# Altium PCB vision-pi-main.PcbDoc (part 1 of 4) (continued)
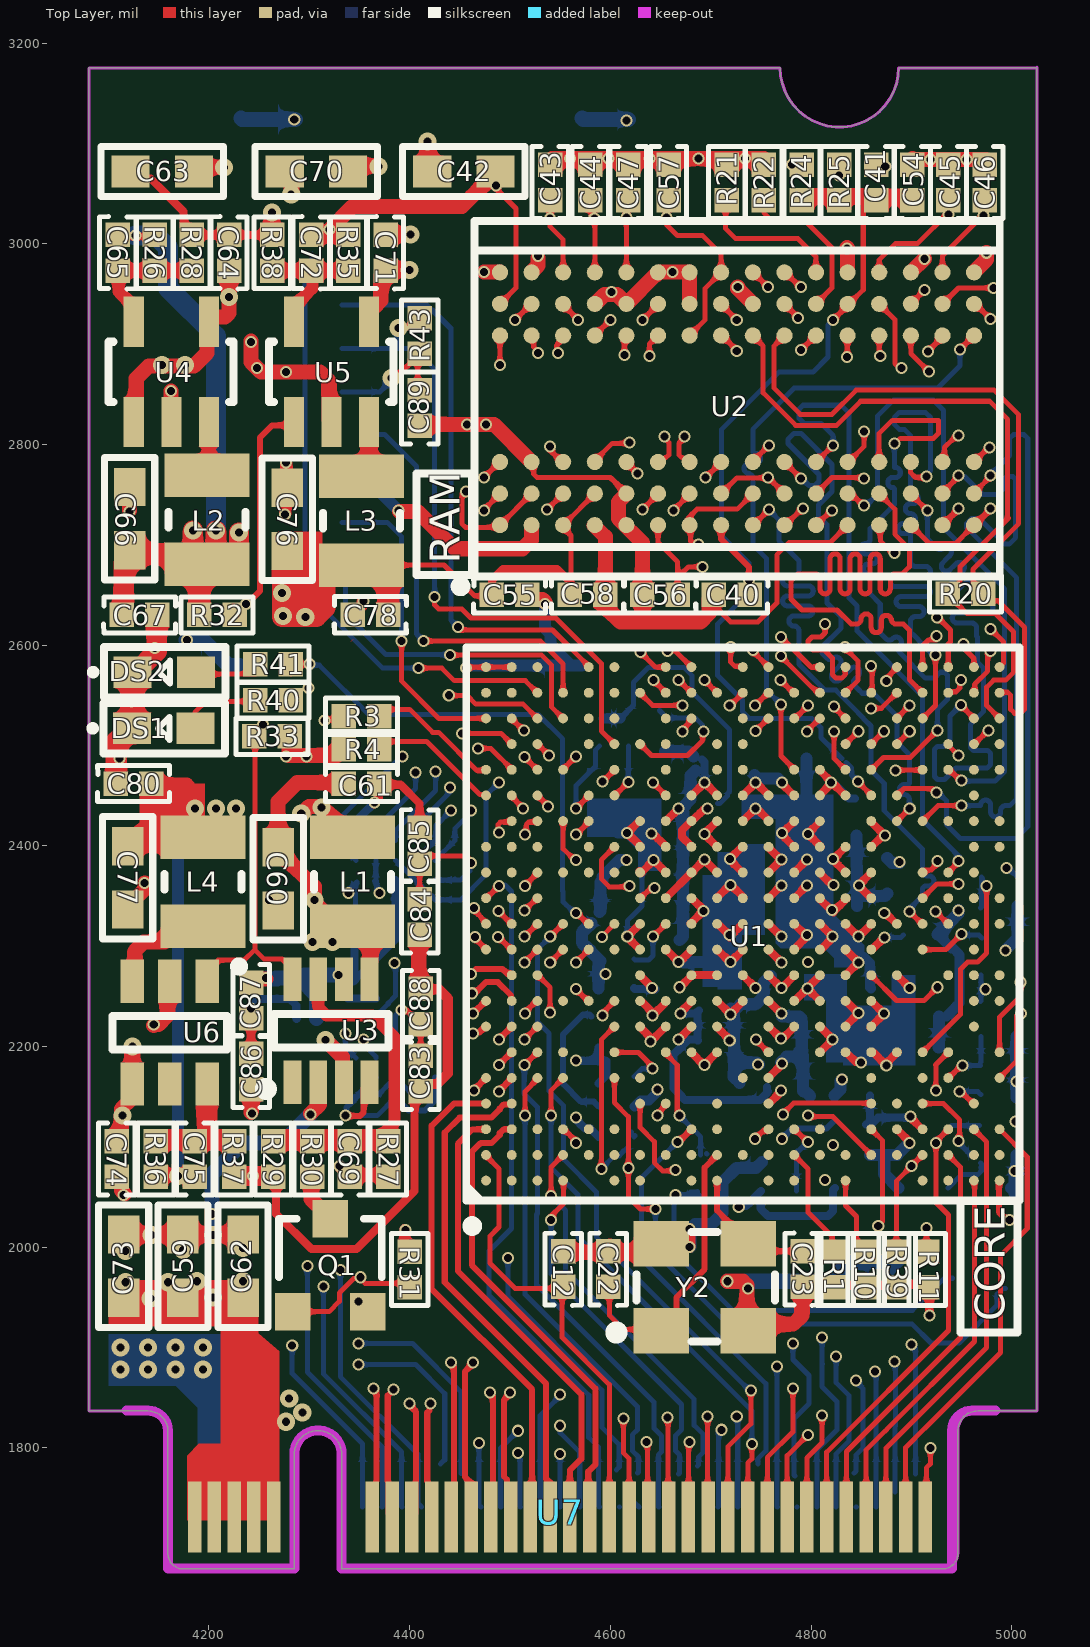
[diagram p0: Top Layer view]
## Classes and differential pairs
differential pair class SDQ1: SDQS1
differential pair class SDQ0: SDQS0
differential pair class EPHY: EPHY-RX EPHY-TX
differential pair class USB: USB0 USB1 USB2 USB3
net class USB: USB_DM0 USB_DM1 USB_DM2 USB_DM3 USB_DP0 USB_DP1 USB_DP2 USB_DP3
net class CAM: CAM_D0 CAM_D1 CAM_D2 CAM_D3 CAM_D4 CAM_D5 CAM_D6 CAM_D7 CAM_HSYNC CAM_MCLK CAM_PCLK CAM_VSYNC I2C2_SCL I2C2_SDA
net class DDR_ADDR/C/C: SA0 SA1 SA2 SA3 SA4 SA5 SA6 SA7 SA8 SA9 SA10 SA11 SA12 SA13 SA14 SA15 SBA0 SBA1 SBA2 SCAS SCKE0 SCKE1 SCKN SCKP SCS0 SCS1 SODT0 SODT1 SRAS SRST SWE
net class DDR_Byte1: SDQ8 SDQ9 SDQ10 SDQ11 SDQ12 SDQ13 SDQ14 SDQ15 SDQM1 SDQS1N SDQS1P
net class DDR_Byte0: SDQ0 SDQ1 SDQ2 SDQ3 SDQ4 SDQ5 SDQ6 SDQ7 SDQM0 SDQS0N SDQS0P
net class Power: AGND GND VCC-DRAM VDD1V1-EPHY VDD1V2-SYS VDD-CPUFB VDD-CPUS VDD-CPUX VDD_5V VDD_AV_3.3V VDD_SYS_3.3V VDDI-EMMC
component class H3_SDCard: C89 R43 R44 U9
component class H3_eMMC: C83 C84 C85 C86 C87 C88 R42 U8
component class H3_USB: R6 U7
component class H3_Power: C59 C60 C61 C62 C63 C64 C65 C66 C67 C69 C70 C71 C72 C73 C74 C75 C76 C77 C78 C79 C80 DS1 DS2 L1 L2 L3 L4 Q1 R26 R27 R28 R29 R30 R31 R32 R33 R34 R35 R36 R37 R38 R39 R40 R41 U3 U4 U5 U6
component class H3_DDR3: C39 C40 C41 C42 C43 C44 C45 C46 C47 C48 C49 C50 C51 C52 C53 C54 C55 C56 C57 C58 R20 R21 R22 R23 R24 R25 U1 U2
component class H3_CPU_02: C15 C16 C17 C18 C19 C21 C22 C23 C24 C25 C26 C27 C28 C29 C30 C31 C32 C33 C34 C35 C36 C37 C38 R11 R12 R13 R14 R15 R16 R17 Y2
component class H3_CPU_01: C1 C2 C3 C4 C5 C6 C7 C8 C9 C10 C11 C12 C13 C14 C20 R1 R2 R3 R4 R5 R7 R8 R9 R10
differential pair EPHY-RX: +EPHY-RXP -EPHY-RXN
differential pair EPHY-TX: +EPHY-TXP -EPHY-TXN
differential pair USB0: +USB_DP0 -USB_DM0
differential pair USB1: +USB_DP1 -USB_DM1
differential pair USB2: +USB_DP2 -USB_DM2
differential pair USB3: +USB_DP3 -USB_DM3
differential pair SCK: +SCKP -SCKN
differential pair SDQS0: +SDQS0P -SDQS0N
differential pair SDQS1: +SDQS1P -SDQS1N

## Components (designator, comment, footprint, x,y, rotation, side; value= is the part's Value field where it differs from the comment)
C1 "100nF" C0402 4657,2412 r180 bottom
C2 "100nF" C0402 4606,2199 r0 bottom
C3 "100nF" C0402 4705,2170 r180 bottom
C4 "100nF" C0402 4987,2152 r180 bottom
C5 "4.7uF" C0402 4987,2181 r180 bottom
C6 "10uF" C0603 4968,2056 r180 bottom
C7 "100nF" C0402 4987,2092 r180 bottom
C8 "100nF" C0402 4656,2440 r180 bottom
C9 "100nF" C0402 4606,2110 r0 bottom
C10 "100nF" C0402 4606,2258 r0 bottom
C11 "100nF" C0402 4607,2229 r180 bottom
C12 "100nF" C0402 4553,1978 r270 top
C13 "10uF" C0603 4853.5,2054 r180 bottom
C14 "100nF" C0402 4841,2155 r0 bottom
C15 "100nF" C0402 4724.72,2440 r180 bottom
C16 "100nF" C0402 4988,2340 r180 bottom
C17 "4.7F" C0402 4606,2287 r0 bottom
C18 "100nF" C0402 4769,2085 r0 bottom
C19 "4.7uF" C0402 4775,2155 r180 bottom
C20 "1uF" C0402 4987,2121 r0 bottom
C21 "1uF" C0402 4690.72,2310 r0 bottom
C22 "18pF" C0402 4598,1978 r270 top
C23 "18pF" C0402 4792,1978 r90 top
C24 "1uF" C0402 4705,2206 r180 bottom
C25 "100nF" C0402 4706,2236 r180 bottom
C26 "10uF" C0603 4592,2397 r90 bottom
C27 "1uF" C0402 4657,2384 r180 bottom
C28 "100nF" C0402 4606,2332 r0 bottom
C29 "1uF" C0402 4910,2197 r180 bottom
C30 "1uF" C0402 4809,2196 r0 bottom
C31 "1uF" C0402 4910,2230 r180 bottom
C32 "100nF" C0402 4808,2228 r0 bottom
C33 "100nF" C0402 4842,2258 r180 bottom
C34 "1uF" C0402 4759,2306 r180 bottom
C35 "1uF" C0402 4692,2358 r0 bottom
C36 "1uF" C0402 4759,2335 r180 bottom
C37 "100nF" C0402 4759,2364 r180 bottom
C38 "100nF" C0402 4759.72,2398 r180 bottom
C39 "100nF" C0402 4813,2487 r0 bottom
C40 "100nF" C0402 4721,2650 r0 top
C41 "100nF" C0402 4865,3061 r90 top
C42 "10uF" C0603 4454,3072 r0 top
C43 "1uF" C0402 4540,3061 r270 top
C44 "1uF" C0402 4580,3061 r270 top
C45 "100nF" C0402 4937,3061 r270 top
C46 "100nF" C0402 4973,3061 r270 top
C47 "100nF" C0402 4618,3061 r270 top
C48 "10uF" C0603 4723,2486 r0 bottom
C49 "1uF" C0402 4876,2370 r270 bottom
C50 "1uF" C0402 4828,2439 r0 bottom
C51 "100nF" C0402 4827.72,2410 r0 bottom
C52 "100nF" C0402 4828,2340 r0 bottom
C53 "100nF" C0402 4828,2377 r0 bottom
C54 "100nF" C0402 4901,3061 r270 top
C55 "1uF" C0402 4499.72,2650 r180 top
C56 "1uF" C0402 4649.72,2650 r0 top
C57 "100nF" C0402 4658,3061 r270 top
C58 "100nF" C0402 4577.28,2650 r180 top
C59 "22uF/6.3V" C0603 4174,1981 r90 top
C60 "10uF" C0603 4269,2367 r90 top
C61 "100nF" C0402 4352,2462 r0 top
C62 "10uF" C0603 4234,1981 r90 top
C63 "10uF" C0603 4153.5,3072 r0 top
C64 "100nF" C0402 4220,2991 r270 top
C65 "15pF" C0402 4109,2991 r270 top
C66 "10uF" C0603 4121,2726 r270 top
C67 "100nF" C0402 4131,2630 r0 top
C69 "15pF" C0402 4340.46,2087.84 r270 top
C70 "10uF" C0603 4307,3072 r0 top
C71 "100nF" C0402 4376,2991 r90 top
C72 "15pF" C0402 4302,2991 r90 top
C73 "10uF" C0603 4115,1981 r90 top
C74 "100nF" C0402 4108,2087.75 r270 top
C75 "15pF" C0402 4186,2087.84 r270 top
C76 "22uF/6.3V" C0603 4278.08,2725.29 r270 top
C77 "22uF/6.3V" C0603 4119,2368 r90 top
C78 "100nF" C0402 4360.8,2630.29 r180 top
C79 "10uF" C0603 4734,2273 r180 bottom
C80 "100nF" C0402 4125,2462 r180 top
C83 "100nF" C0402 4411,2173 r90 top
C84 "1uF" C0402 4410,2329 r90 top
C85 "100nF" C0402 4410,2400 r270 top
C86 "1uF" C0402 4242,2175 r90 top
C87 "100nF" C0402 4242,2246 r270 top
C88 "100nF" C0402 4411,2240 r270 top
C89 "10uF" C0402 4410,2836.28 r90 top
DS1 "LED" LED0603 4155,2517 r0 top
DS2 "LED" LED0603 4155.5,2573 r0 top
L1 "DFE252010P-2R2M" L2520 4343,2364 r90 top
L2 "DFE252010P-2R2M" L2520 4198,2725 r90 top
L3 "DFE252010P-2R2M" L2520 4352,2724 r90 top
L4 "DFE252010P-2R2M" L2520 4194,2364 r270 top
Q1 "L2N7002WT1G" SOT-23-3L 4321,1977 r0 top
R1 "10K" R0402 4824,1977.9 r90 top
R2 "10K" R0402 4618,2507 r270 bottom
R3 "22R" R0402 4352,2529 r0 top
R4 "10K" R0402 4352,2496 r0 top
R5 "220K/1%" R0402 4987,2210 r180 bottom
R6 "4.7K" R0402 4689,2069 r90 bottom
R7 "0R" R0402 4841,2126 r0 bottom
R8 "0R" R0402 4841,2092 r180 bottom
R9 "6K/1%" R0402 4606,2170 r0 bottom
R10 "10K" R0402 4855,1977.9 r270 top
R11 "47K" R0402 4916,1977.9 r90 top
R12 "10K" R0402 4987.72,2369 r0 bottom
R13 "47K" R0402 4987,2271 r180 bottom
R14 "47K" R0402 4987,2240 r180 bottom
R15 "0R" R0402 4768,2056 r0 bottom
R16 "0R" R0402 4892,2293.28 r270 bottom
R17 "0R" R0402 4926,2294 r270 bottom
R20 "100R" R0402 4954,2651 r0 top
R21 "240R/1%" R0402 4716,3061 r270 top
R22 "240R/1%" R0402 4753,3061 r270 top
R23 "240R/1%" R0402 4988,2308 r180 bottom
R24 "2K" R0402 4791,3061 r270 top
R25 "2K" R0402 4828,3061 r90 top
R26 "30K/1%" R0402 4146,2991 r270 top
R27 "10K/1%" R0402 4378.73,2087.75 r90 top
R28 "6.8K/1%" R0402 4183,2991 r270 top
R29 "12K/1%" R0402 4264,2087.75 r90 top
R30 "30K/1%" R0402 4303,2087.75 r90 top
R31 "10K" R0402 4400,1977.9 r90 top
R32 "10K" R0402 4208,2630 r180 top
R33 "10K" R0402 4263,2509 r0 top
R34 "2R/1%" R0402 4606.28,2141 r0 bottom
R35 "15K/1%" R0402 4339,2991 r270 top
R36 "15K/1%" R0402 4147,2087.75 r90 top
R37 "10K/1%" R0402 4225,2087.75 r90 top
R38 "10K/1%" R0402 4263,2991 r270 top
R39 "10K" R0402 4886,1977.9 r270 top
R40 "1K" R0402 4264,2545 r0 top
R41 "1K" R0402 4264,2581 r0 top
R42 "10K" R0402 4589,2507 r90 bottom
R43 "47K" R0402 4410,2908 r270 top
R44 "47K" R0402 4649,2507 r90 bottom
U1 "H3-BGA3XX" BGA-H3-347 4732.05,2322.18 r90 top locked
U2 "K4B4G1646B-HCH9" FBGA-96 4726.26,2845.51 r90 top locked
U3 "MP2143DJ" TSOT23-8 4321.73,2215.66 r90 top
U4 "RT8059-3.3V" SOT-23-5 4162.48,2872.29 r90 top
U5 "RT8059-1.5V" SOT-23-5 4322.08,2872.29 r90 top locked
U6 "SY8032" SOT23-6 4161,2213.75 r270 top
U7 "GF_M.2_MKEY" GF_M.2_M_KEY 4549.85,1837.07 r0 top locked
U8 "KLM8G1YEMD-B031" FBGA153 4317.05,2277.21 r180 bottom locked
U9 "TF-card8P" "TF-8P - duplicate" 4487.59,2847.28 r90 bottom locked
Y2 "24MHz" X-TSX-3225 4694,1960 r0 top

## Footprints (in the part's own frame and the unit in brackets; to place one, negate y for a bottom-side part, rotate by r counter-clockwise, add the part's x,y. Pads: shape width x height; smd on the part's side, far side on the other; paste and mask are expansions set on the pad)
BGA-H3-347 [mm]
  round 0.25 smd: A1(-6.5,6.5) A2(-5.85,6.5) A3(-5.2,6.5) A4(-4.55,6.5) A5(-3.9,6.5) A7(-2.6,6.5) A8(-1.95,6.5) A10(-0.65,6.5) A11(0,6.5) A12(0.65,6.5) A13(1.3,6.5) A14(1.95,6.5) A16(3.25,6.5) A17(3.9,6.5) A19(5.2,6.5) A20(5.85,6.5) A21(6.5,6.5) AA1(-6.5,-6.5) AA2(-5.85,-6.5) AA3(-5.2,-6.5) AA5(-3.9,-6.5) AA6(-3.25,-6.5) AA8(-1.95,-6.5) AA9(-1.3,-6.5) AA11(0,-6.5) AA12(0.65,-6.5) AA14(1.95,-6.5) AA15(2.6,-6.5) AA17(3.9,-6.5) AA18(4.55,-6.5) AA19(5.2,-6.5) AA20(5.85,-6.5) AA21(6.5,-6.5) B1(-6.5,5.85) B2(-5.85,5.85) B3(-5.2,5.85) B4(-4.55,5.85) B5(-3.9,5.85) B6(-3.25,5.85) B7(-2.6,5.85) B8(-1.95,5.85) B9(-1.3,5.85) B10(-0.65,5.85) B11(0,5.85) B12(0.65,5.85) B13(1.3,5.85) B14(1.95,5.85) B15(2.6,5.85) B16(3.25,5.85) B17(3.9,5.85) B18(4.55,5.85) B19(5.2,5.85) B20(5.85,5.85) B21(6.5,5.85) C1(-6.5,5.2) C2(-5.85,5.2) C3(-5.2,5.2) C5(-3.9,5.2) C6(-3.25,5.2) C7(-2.6,5.2) C8(-1.95,5.2) C9(-1.3,5.2) C10(-0.65,5.2) C11(0,5.2) C12(0.65,5.2) C13(1.3,5.2) C14(1.95,5.2) C15(2.6,5.2) C16(3.25,5.2) C17(3.9,5.2) C18(4.55,5.2) C19(5.2,5.2) C20(5.85,5.2) C21(6.5,5.2) D1(-6.5,4.55) D2(-5.85,4.55) D3(-5.2,4.55) D5(-3.9,4.55) D6(-3.25,4.55) D8(-1.95,4.55) D10(-0.65,4.55) D11(0,4.55) D13(1.3,4.55) D15(2.6,4.55) D17(3.9,4.55) D19(5.2,4.55) D20(5.85,4.55) E2(-5.85,3.9) E3(-5.2,3.9) E8(-1.95,3.9) E10(-0.65,3.9) E11(0,3.9) E13(1.3,3.9) E14(1.95,3.9) E15(2.6,3.9) E16(3.25,3.9) E18(4.55,3.9) E19(5.2,3.9) E20(5.85,3.9) E21(6.5,3.9) F1(-6.5,3.25) F2(-5.85,3.25) F3(-5.2,3.25) F5(-3.9,3.25) F6(-3.25,3.25) F7(-2.6,3.25) F8(-1.95,3.25) F10(-0.65,3.25) F11(0,3.25) F13(1.3,3.25) F14(1.95,3.25) F16(3.25,3.25) F17(3.9,3.25) F18(4.55,3.25) F19(5.2,3.25) F20(5.85,3.25) F21(6.5,3.25) G1(-6.5,2.6) G2(-5.85,2.6) G4(-4.55,2.6) G5(-3.9,2.6) G7(-2.6,2.6) G8(-1.95,2.6) G9(-1.3,2.6) G10(-0.65,2.6) G11(0,2.6) G12(0.65,2.6) G13(1.3,2.6) G14(1.95,2.6) G15(2.6,2.6) G18(4.55,2.6) G20(5.85,2.6) H2(-5.85,1.95) H3(-5.2,1.95) H4(-4.55,1.95) H6(-3.25,1.95) H7(-2.6,1.95) H8(-1.95,1.95) H10(-0.65,1.95) H11(0,1.95) H12(0.65,1.95) H13(1.3,1.95) H14(1.95,1.95) H15(2.6,1.95) H16(3.25,1.95) H17(3.9,1.95) H18(4.55,1.95) H19(5.2,1.95) H20(5.85,1.95) H21(6.5,1.95) J1(-6.5,1.3) J2(-5.85,1.3) J3(-5.2,1.3) J6(-3.25,1.3) J7(-2.6,1.3) J8(-1.95,1.3) J9(-1.3,1.3) J10(-0.65,1.3) J11(0,1.3) J12(0.65,1.3) J13(1.3,1.3) J14(1.95,1.3) J15(2.6,1.3) J16(3.25,1.3) J19(5.2,1.3) J20(5.85,1.3) J21(6.5,1.3) K1(-6.5,0.65) K2(-5.85,0.65) K3(-5.2,0.65) K4(-4.55,0.65) K6(-3.25,0.65) K7(-2.6,0.65) K8(-1.95,0.65) K9(-1.3,0.65) K10(-0.65,0.65) K11(0,0.65) K12(0.65,0.65) K13(1.3,0.65) K14(1.95,0.65) K15(2.6,0.65) K16(3.25,0.65) K17(3.9,0.65) K18(4.55,0.65) K20(5.85,0.65) L2(-5.85,0) L5(-3.9,0) L8(-1.95,0) L9(-1.3,0) L10(-0.65,0) L11(0,0) L12(0.65,0) L13(1.3,0) L14(1.95,0) L15(2.6,0) L16(3.25,0) L17(3.9,0) L18(4.55,0) L19(5.2,0) L20(5.85,0) L21(6.5,0) M1(-6.5,-0.65) M2(-5.85,-0.65) M3(-5.2,-0.65) M4(-4.55,-0.65) M5(-3.9,-0.65) M6(-3.25,-0.65) M7(-2.6,-0.65) M8(-1.95,-0.65) M9(-1.3,-0.65) M10(-0.65,-0.65) M11(0,-0.65) M12(0.65,-0.65) M13(1.3,-0.65) M14(1.95,-0.65) M15(2.6,-0.65) M16(3.25,-0.65) M19(5.2,-0.65) M20(5.85,-0.65) M21(6.5,-0.65) N1(-6.5,-1.3) N2(-5.85,-1.3) N3(-5.2,-1.3) N7(-2.6,-1.3) N8(-1.95,-1.3) N9(-1.3,-1.3) N10(-0.65,-1.3) N11(0,-1.3) N12(0.65,-1.3) N13(1.3,-1.3) N14(1.95,-1.3) N15(2.6,-1.3) N16(3.25,-1.3) N17(3.9,-1.3) N19(5.2,-1.3) N20(5.85,-1.3) P2(-5.85,-1.95) P3(-5.2,-1.95) P6(-3.25,-1.95) P7(-2.6,-1.95) P8(-1.95,-1.95) P9(-1.3,-1.95) P10(-0.65,-1.95) P11(0,-1.95) P12(0.65,-1.95) P13(1.3,-1.95) P14(1.95,-1.95) P15(2.6,-1.95) P16(3.25,-1.95) P17(3.9,-1.95) P19(5.2,-1.95) P20(5.85,-1.95) P21(6.5,-1.95) R1(-6.5,-2.6) R2(-5.85,-2.6) R6(-3.25,-2.6) R7(-2.6,-2.6) R8(-1.95,-2.6) R9(-1.3,-2.6) R10(-0.65,-2.6) R11(0,-2.6) R12(0.65,-2.6) R13(1.3,-2.6) R14(1.95,-2.6) R16(3.25,-2.6) R17(3.9,-2.6) R18(4.55,-2.6) R19(5.2,-2.6) R20(5.85,-2.6) R21(6.5,-2.6) T2(-5.85,-3.25) T3(-5.2,-3.25) T4(-4.55,-3.25) T5(-3.9,-3.25) T6(-3.25,-3.25) T7(-2.6,-3.25) T8(-1.95,-3.25) T9(-1.3,-3.25) T10(-0.65,-3.25) T11(0,-3.25) T12(0.65,-3.25) T13(1.3,-3.25) T14(1.95,-3.25) T15(2.6,-3.25) T16(3.25,-3.25) T17(3.9,-3.25) T18(4.55,-3.25) T20(5.85,-3.25) U2(-5.85,-3.9) U3(-5.2,-3.9) U4(-4.55,-3.9) U6(-3.25,-3.9) U9(-1.3,-3.9) U11(0,-3.9) U15(2.6,-3.9) U16(3.25,-3.9) U18(4.55,-3.9) U19(5.2,-3.9) U20(5.85,-3.9) U21(6.5,-3.9) V1(-6.5,-4.55) V2(-5.85,-4.55) V3(-5.2,-4.55) V4(-4.55,-4.55) V5(-3.9,-4.55) V6(-3.25,-4.55) V10(-0.65,-4.55) V11(0,-4.55) V12(0.65,-4.55) V13(1.3,-4.55) V15(2.6,-4.55) V17(3.9,-4.55) V19(5.2,-4.55) V20(5.85,-4.55) V21(6.5,-4.55) W1(-6.5,-5.2) W2(-5.85,-5.2) W3(-5.2,-5.2) W5(-3.9,-5.2) W6(-3.25,-5.2) W9(-1.3,-5.2) W11(0,-5.2) W12(0.65,-5.2) W13(1.3,-5.2) W15(2.6,-5.2) W17(3.9,-5.2) W18(4.55,-5.2) W20(5.85,-5.2) W21(6.5,-5.2) Y1(-6.5,-5.85) Y2(-5.85,-5.85) Y3(-5.2,-5.85) Y4(-4.55,-5.85) Y7(-2.6,-5.85) Y8(-1.95,-5.85) Y9(-1.3,-5.85) Y10(-0.65,-5.85) Y11(0,-5.85) Y12(0.65,-5.85) Y13(1.3,-5.85) Y14(1.95,-5.85) Y15(2.6,-5.85) Y16(3.25,-5.85) Y17(3.9,-5.85) Y18(4.55,-5.85) Y19(5.2,-5.85) Y20(5.85,-5.85) Y21(6.5,-5.85)
  silkscreen extent -7.77,-7 7,7, body extent -7,-7 7,7, height 1.18
C0402 [mm]
  rect 0.62x0.62 smd: 1(-0.45,0) 2(0.45,0)
  silkscreen extent -0.91,-0.46 0.91,0.46, body extent -0.73,-0.25 0.73,0.25, height 0.51
C0603 [mm]
  rect 0.965x0.8 smd: 1(-0.8,0) 2(0.8,0)
  silkscreen extent -1.55,-0.64 1.55,0.64, body extent -1.23,-0.4 1.23,0.4, height 0.8
FBGA153 [mm] "BGA, 153-Leads, Body 11.50x13.00mmx0.70mm, Pitch 0.50mm"
  round 0.25 smd: A1(-3.25,3.25) A2(-2.75,3.25) A3(-2.25,3.25) A4(-1.75,3.25) A5(-1.25,3.25) A6(-0.75,3.25) A7(-0.25,3.25) A8(0.25,3.25) A9(0.75,3.25) A10(1.25,3.25) A11(1.75,3.25) A12(2.25,3.25) A13(2.75,3.25) A14(3.25,3.25) B1(-3.25,2.75) B2(-2.75,2.75) B3(-2.25,2.75) B4(-1.75,2.75) B5(-1.25,2.75) B6(-0.75,2.75) B7(-0.25,2.75) B8(0.25,2.75) B9(0.75,2.75) B10(1.25,2.75) B11(1.75,2.75) B12(2.25,2.75) B13(2.75,2.75) B14(3.25,2.75) C1(-3.25,2.25) C2(-2.75,2.25) C3(-2.25,2.25) C4(-1.75,2.25) C5(-1.25,2.25) C6(-0.75,2.25) C7(-0.25,2.25) C8(0.25,2.25) C9(0.75,2.25) C10(1.25,2.25) C11(1.75,2.25) C12(2.25,2.25) C13(2.75,2.25) C14(3.25,2.25) D1(-3.25,1.75) D2(-2.75,1.75) D3(-2.25,1.75) D4(-1.75,1.75) D12(2.25,1.75) D13(2.75,1.75) D14(3.25,1.75) E1(-3.25,1.25) E2(-2.75,1.25) E3(-2.25,1.25) E5(-1.25,1.25) E6(-0.75,1.25) E7(-0.25,1.25) E8(0.25,1.25) E9(0.75,1.25) E10(1.25,1.25) E12(2.25,1.25) E13(2.75,1.25) E14(3.25,1.25) F1(-3.25,0.75) F2(-2.75,0.75) F3(-2.25,0.75) F5(-1.25,0.75) F10(1.25,0.75) F12(2.25,0.75) F13(2.75,0.75) F14(3.25,0.75) G1(-3.25,0.25) G2(-2.75,0.25) G3(-2.25,0.25) G5(-1.25,0.25) G10(1.25,0.25) G12(2.25,0.25) G13(2.75,0.25) G14(3.25,0.25) H1(-3.25,-0.25) H2(-2.75,-0.25) H3(-2.25,-0.25) H5(-1.25,-0.25) H10(1.25,-0.25) H12(2.25,-0.25) H13(2.75,-0.25) H14(3.25,-0.25) J1(-3.25,-0.75) J2(-2.75,-0.75) J3(-2.25,-0.75) J5(-1.25,-0.75) J10(1.25,-0.75) J12(2.25,-0.75) J13(2.75,-0.75) J14(3.25,-0.75) K1(-3.25,-1.25) K2(-2.75,-1.25) K3(-2.25,-1.25) K5(-1.25,-1.25) K6(-0.75,-1.25) K7(-0.25,-1.25) K8(0.25,-1.25) K9(0.75,-1.25) K10(1.25,-1.25) K12(2.25,-1.25) K13(2.75,-1.25) K14(3.25,-1.25) L1(-3.25,-1.75) L2(-2.75,-1.75) L3(-2.25,-1.75) L12(2.25,-1.75) L13(2.75,-1.75) L14(3.25,-1.75) M1(-3.25,-2.25) M2(-2.75,-2.25) M3(-2.25,-2.25) M4(-1.75,-2.25) M5(-1.25,-2.25) M6(-0.75,-2.25) M7(-0.25,-2.25) M8(0.25,-2.25) M9(0.75,-2.25) M10(1.25,-2.25) M11(1.75,-2.25) M12(2.25,-2.25) M13(2.75,-2.25) M14(3.25,-2.25) N1(-3.25,-2.75) N2(-2.75,-2.75) N3(-2.25,-2.75) N4(-1.75,-2.75) N5(-1.25,-2.75) N6(-0.75,-2.75) N7(-0.25,-2.75) N8(0.25,-2.75) N9(0.75,-2.75) N10(1.25,-2.75) N11(1.75,-2.75) N12(2.25,-2.75) N13(2.75,-2.75) N14(3.25,-2.75) P1(-3.25,-3.25) P2(-2.75,-3.25) P3(-2.25,-3.25) P4(-1.75,-3.25) P5(-1.25,-3.25) P6(-0.75,-3.25) P7(-0.25,-3.25) P8(0.25,-3.25) P9(0.75,-3.25) P10(1.25,-3.25) P11(1.75,-3.25) P12(2.25,-3.25) P13(2.75,-3.25) P14(3.25,-3.25)
  silkscreen extent -6.53,-6.5 5.75,6.5, body extent -5.75,-6.5 5.75,6.5, height 0.63
FBGA-96 [mm]
  round 0.41 smd: A1(-3.2,6) A2(-2.4,6) A3(-1.6,6) A7(1.6,6) A8(2.4,6) A9(3.2,6) B1(-3.2,5.2) B2(-2.4,5.2) B3(-1.6,5.2) B7(1.6,5.2) B8(2.4,5.2) B9(3.2,5.2) C1(-3.2,4.4) C2(-2.4,4.4) C3(-1.6,4.4) C7(1.6,4.4) C8(2.4,4.4) C9(3.2,4.4) D1(-3.2,3.6) D2(-2.4,3.6) D3(-1.6,3.6) D7(1.6,3.6) D8(2.4,3.6) D9(3.2,3.6) E1(-3.2,2.8) E2(-2.4,2.8) E3(-1.6,2.8) E7(1.6,2.8) E8(2.4,2.8) E9(3.2,2.8) F1(-3.2,2) F2(-2.4,2) F3(-1.6,2) F7(1.6,2) F8(2.4,2) F9(3.2,2) G1(-3.2,1.2) G2(-2.4,1.2) G3(-1.6,1.2) G7(1.6,1.2) G8(2.4,1.2) G9(3.2,1.2) H1(-3.2,0.4) H2(-2.4,0.4) H3(-1.6,0.4) H7(1.6,0.4) H8(2.4,0.4) H9(3.2,0.4) J1(-3.2,-0.4) J2(-2.4,-0.4) J3(-1.6,-0.4) J7(1.6,-0.4) J8(2.4,-0.4) J9(3.2,-0.4) K1(-3.2,-1.2) K2(-2.4,-1.2) K3(-1.6,-1.2) K7(1.6,-1.2) K8(2.4,-1.2) K9(3.2,-1.2) L1(-3.2,-2) L2(-2.4,-2) L3(-1.6,-2) L7(1.6,-2) L8(2.4,-2) L9(3.2,-2) M1(-3.2,-2.8) M2(-2.4,-2.8) M3(-1.6,-2.8) M7(1.6,-2.8) M8(2.4,-2.8) M9(3.2,-2.8) N1(-3.2,-3.6) N2(-2.4,-3.6) N3(-1.6,-3.6) N7(1.6,-3.6) N8(2.4,-3.6) N9(3.2,-3.6) P1(-3.2,-4.4) P2(-2.4,-4.4) P3(-1.6,-4.4) P7(1.6,-4.4) P8(2.4,-4.4) P9(3.2,-4.4) R1(-3.2,-5.2) R2(-2.4,-5.2) R3(-1.6,-5.2) R7(1.6,-5.2) R8(2.4,-5.2) R9(3.2,-5.2) T1(-3.2,-6) T2(-2.4,-6) T3(-1.6,-6) T7(1.6,-6) T8(2.4,-6) T9(3.2,-6)
  silkscreen extent -4.87,-6.65 4.5,7.12, body extent -3.75,-6.65 3.75,6.65, height 1
GF_M.2_M_KEY [mm]
  rect 0.34x1.8 smd: 1(9.25,-2.694) 3(8.75,-2.694) 5(8.25,-2.694) 7(7.75,-2.694) 9(7.25,-2.694) 11(6.75,-2.694) 13(6.25,-2.694) 15(5.75,-2.694) 17(5.25,-2.694) 19(4.75,-2.694) 21(4.25,-2.694) 23(3.75,-2.694) 25(3.25,-2.694) 27(2.75,-2.694) 29(2.25,-2.694) 31(1.75,-2.694) 33(1.25,-2.694) 35(0.75,-2.694) 37(0.25,-2.694) 39(-0.25,-2.694) 41(-0.75,-2.694) 43(-1.25,-2.694) 45(-1.75,-2.694) 47(-2.25,-2.694) 49(-2.75,-2.694) 51(-3.25,-2.694) 53(-3.75,-2.694) 55(-4.25,-2.694) 57(-4.75,-2.694) 67(-7.25,-2.694) 69(-7.75,-2.694) 71(-8.25,-2.694) 73(-8.75,-2.694) 75(-9.25,-2.694)
  rect 0.34x2.3 smd far side: 2(9,-2.44) 4(8.5,-2.44) 6(8,-2.44) 8(7.5,-2.44) 10(7,-2.44) 12(6.5,-2.44) 14(6,-2.44) 16(5.5,-2.44) 18(5,-2.44) 20(4.5,-2.44) 22(4,-2.44) 24(3.5,-2.44) 26(3,-2.44) 28(2.5,-2.44) 30(2,-2.44) 32(1.5,-2.44) 34(1,-2.44) 36(0.5,-2.44) 38(0,-2.44) 40(-0.5,-2.44) 42(-1,-2.44) 44(-1.5,-2.44) 46(-2,-2.44) 48(-2.5,-2.44) 50(-3,-2.44) 52(-3.5,-2.44) 54(-4,-2.44) 56(-4.5,-2.44) 58(-5,-2.44) 68(-7.5,-2.44) 70(-8,-2.44) 72(-8.5,-2.44) 74(-9,-2.44)
  Top Layer pour cut-out: -10.414,-4.216 10.16,-4.216 10.16,-1.854 -10.414,-1.854
  Bottom Layer pour cut-out: -10.16,-4.318 10.16,-4.318 10.16,-1.346 -10.16,-1.346
  Keep-Out Layer lines w0.254: -10.976,0 -10.425,0 cw(c-10.425,-0.5) -9.925,-0.5 -9.925,-4 ; -9.924,-4 -6.726,-4 ; -6.725,-4 -6.725,-1.1 cw(c-6.125,-1.1) -5.525,-1.1 -5.525,-4 ; -5.522,-4 9.926,-4 ; 9.925,-4 9.925,-0.5 cw(c10.425,-0.5) 10.425,0 11.024,0
L2520 [mm]
  rect 1.1x2.15 smd: 1(-1.125,0) 2(1.125,0)
  silkscreen extent -0.2,-0.98 0.2,0.97, body extent -1.25,-1 1.25,1, height 1
LED0603 [mm]
  rect 0.965x0.8 smd: 1(0.8,0) 2(-0.8,0)
  silkscreen extent -1.87,-0.64 1.55,0.64, body extent -0.8,-0.4 0.8,0.4, height 0.6
R0402 [mm]
  rect 0.62x0.62 smd: 1(-0.45,0) 2(0.45,0)
  silkscreen extent -0.91,-0.46 0.91,0.46, body extent -0.73,-0.25 0.73,0.25, height 0.51
SOT23-6 [mm]
  rect 1.1x0.6 smd: 1(-1.3,0.95) 2(-1.3,0) 3(-1.3,-0.95) 4(1.3,-0.95) 5(1.3,0) 6(1.3,0.95)
  silkscreen extent -1.73,-1.45 0.43,1.8, body extent -1.21,-1.4 1.21,1.4, height 1.09
SOT-23-3L [mm]
  rect 0.9x0.95 smd: 1(-0.95,-1.048) 2(0,1.302) 3(0.95,-1.048)
  silkscreen extent -1.3,-0.17 1.3,1.3, body extent -1.44,-1.26 1.46,1.54, height 1.2
SOT-23-5 [mil]
  rect 50x20 smd: 1(-50,37.4) 2(-50,0) 3(-50,-37.4) 4(50,-37.4) 5(50,37.4)
  silkscreen extent -30,-62 30,62, body extent -55,-57 55,57, height 47
"TF-8P - duplicate" [mm]
  rect 0.8x1.5 smd: 1(3.427,-3.937) 2(2.327,-3.937) 3(1.227,-3.937) 4(0.127,-3.937) 5(-0.973,-3.937) 6(-2.073,-3.937) 7(-3.173,-3.937)
  rect 0.724x1.5 smd: 8(-4.273,-3.937)
  rect 1.35x1.9 smd: 9(-6.8,-6.537) 10(7.054,-6.492) 12(-6.8,2.144)
  rect 1.35x1.8 smd: 11(7.054,2.144)
  silkscreen extent -6.86,-7.95 7.16,5.56
TSOT23-8 [mm]
  rect 1.1x0.45 smd: 1(-1.3,0.975) 2(-1.3,0.325) 3(-1.3,-0.325) 4(-1.3,-0.975) 5(1.3,-0.975) 6(1.3,-0.325) 7(1.3,0.325) 8(1.3,0.975)
  silkscreen extent -1.57,-1.45 0.43,1.75, body extent -1.4,-1.45 1.4,1.45, height 1
X-TSX-3225 [mm]
  rect 1.4x1.15 smd: 1(-1.1,-1.1) 2(1.1,-1.1) 3(1.1,1.1) 4(-1.1,1.1)
  silkscreen extent -2.26,-1.37 1.78,1.4, body extent -1.57,-1.25 1.63,1.25, height 0.61

## Part data
C1 C2 C3 C4 C5 C7 C8 C9 C10 C11 C12 C14 C15 C16 C17 C18 C19 C20 C21 C22 C23 C24 C25 C27 C28 C29 C30 C31 C32 C33 C34 C35 C36 C37 C38 C39 C40 C41 C43 C44 C45 C46 C47 C49 C50 C51 C52 C53 C54 C55 C56 C57 C58 C61 C64 C65 C67 C71 C72 C74 C75 C78 C80 C83 C84 C85 C86 C87 C88: library part C0402, "电容", LatestRevisionDate=17-Jul-2002, LatestRevisionNote="Re-released for DXP Platform.", PackageDescription="Radial Cap, Thru-Hole; 2 Leads; 0.3 in Pin Spacing", PackageReference=RAD-0.3, Published=8-Jun-2000, Publisher="Altium Limited", UnitPrice=0.02
C6 C13 C26 C42 C48 C59 C60 C62 C63 C66 C70 C73 C76 C77 C79 C89: library part C0603, "电容", LatestRevisionDate=17-Jul-2002, LatestRevisionNote="Re-released for DXP Platform.", PackageDescription="Radial Cap, Thru-Hole; 2 Leads; 0.3 in Pin Spacing", PackageReference=RAD-0.3, Published=8-Jun-2000, Publisher="Altium Limited", UnitPrice=0.02
C69: library part C, "电容", LatestRevisionDate=17-Jul-2002, LatestRevisionNote="Re-released for DXP Platform.", PackageDescription="Radial Cap, Thru-Hole; 2 Leads; 0.3 in Pin Spacing", PackageReference=RAD-0.3, Published=8-Jun-2000, Publisher="Altium Limited", UnitPrice=0.02
DS1 DS2: "Typical RED, GREEN, YELLOW, AMBER GaAs LED", PackageDocument=Feb-2002, LatestRevisionDate=17-Jul-2002, LatestRevisionNote="Re-released for DXP Platform.", PackageReference=3.2X1.6X1.1, Published=8-Jun-2000, Publisher="Altium Limited", UnitPrice=0.05
L1 L2 L3 L4: library part L, "电感"
Q1: library part NMOS-2, "N-Channel Power MOSFET", ComponentLink1Description="Manufacturer Link", ComponentLink1URL=http://www.irf.com/, DatasheetVersion=PD-9.814, LatestRevisionDate=17-Jul-2002, LatestRevisionNote="Re-released for DXP Platform.", Note="Pin 2 is electrically connected to pin 4.", PackageDescription="TO, Thru-Hole, Vertical, Heatsink Mounted; 3 In-Line Leads; Pitch 2.54 mm", PackageReference=TO-220AB, PackageVersion=Feb-1997, Published=8-Jun-2000, Publisher="Altium Limited"
R1 R2 R3 R4 R5 R6 R7 R8 R9 R10 R11 R12 R13 R14 R15 R16 R17 R20 R21 R22 R23 R24 R25 R26 R27 R28 R29 R30 R31 R32 R33 R34 R35 R36 R37 R38 R39 R40 R41 R42 R43 R44: library part RES0402, "电阻", LatestRevisionDate=17-Jul-2002, LatestRevisionNote="Re-released for DXP Platform.", PackageDescription="Axial Device, Thru-Hole; 2 Leads; 0.3 in Pin Spacing", PackageReference=AXIAL-0.3, Published=8-Jun-2000, Publisher="Altium Limited"
U4 U5: library part RT8059, "RT8059"
U7: BOM_Manufacturer=SHOWNAME=F, BOM_Manufacturer Part=SHOWNAME=F, BOM_Supplier=SHOWNAME=F, BOM_Supplier Part=SHOWNAME=F, Contributor=redgragon, link=SHOWNAME=F, spicePre=U, spiceSymbolName=GF_M.2_MKEY
Y2: library part XTAL_1, "Crystal Oscillator", LatestRevisionDate=17-Jul-2002, LatestRevisionNote="Re-released for DXP Platform.", Published=8-Jun-2000, Publisher="Altium Limited"

## Free pads (board coordinates)
  rrect50% 40x60 smd far side: ""(4878,1980) ""(4945,1980) ""(4996,1980)

## Via types
v1: diameter 12, hole 8, Top Layer to Bottom Layer, 412 vias
v2: diameter 18, hole 8, Top Layer to Bottom Layer, 52 vias

## Nets (pads, with @x,y where several pads share a name; then routed paths per layer and width w, separated by ;. In a path a pad name is that pad's centre, name@x,y a point inside that pad or via, vN(x,y) a via of type N, cw(c..) or ccw(c..) an arc to the next point about the centre after c; other vN are vias at no path point)
AGND: C4.1 C5.1 C6.1 C7.1 C13.1 C14.1 R5.1 R8.1 U1.U3 | length 568.5
  Top Layer w8: U1.U3@4885.59,2117.46 v1@4898.39,2104.66
  Sig(4) w12: v1(4831,2167) 4856,2167 4868.16,2154.84 4902.53,2154.84 4926.19,2131.19 4972.19,2131.19 4980,2139 ; v1(4898,2104) 4918,2124 4918,2139 ; v1(5003,2076) 5003,2093 4980,2116 4980,2139 ; v1@5005,2168 v1(5005,2165) 5005,2164 4980,2139
  Bottom Layer w12: C14.1@4823.28,2151 4829.49,2157.2 4829.49,2165.49 v1(4831,2167) ; R8.1@4858.72,2092 4876,2092 ; C13.1@4887,2059 4873,2073 4873,2089 4876,2092 ; v1@4897,2103 4886,2092 4876,2092 ; C6.1@4999.5,2059 C6.1@5003,2055.5 ; v1(5003,2076) C6.1@5003,2055.5 ; C6.1@5004.72,2057.28 C7.1@5004.72,2092 ; R5.1@5004.72,2210 C5.1@5004.72,2181 C4.1@5004.72,2152 5004.72,2149.28 C4.1@5005,2149 ; C6.1@5003,2055.5 5004,2054.5 5003,2053.5 C6.1@5003,2055.5
AP-RESET#: C16.2 R12.1 U1.V6 U7.1 | length 906.2
  Top Layer w5: U1.V6@4911.18,2194.23 4949,2232.05 4949,2277 4956,2284 4965.92,2284 4975,2293.08 v1@4975,2359 ; U7.1@4914.03,1731.01 4915,1731.98 4915,1780 4919,1784 v1@4919,1799
  Sig(3) w5: v1@4919,1802 4919,1861 4982,1924 4982,2233 4989,2240 4989,2269 5007,2287 5007,2311 4975,2343 v1(4975,2360)
  Bottom Layer w5: C16.2@4969,2338 4970,2339 R12.1@4970,2369
  other v1: 4919,1800
CAM_D0: U1.C9 U7.36 | length 552.4
  Top Layer w5: U1.C9@4527.34,2271.32 4540,2258.66 v1@4540,2235
  Sig(4) w5: v1(4540,2234) 4553.5,2220.5 4553.5,2034.53 4553.5,2033.59 4563.5,2023.59 4563.5,1846.41 4550,1832.91 4550,1828
  Bottom Layer w5: v1@4551,1822 4550,1821 4550,1815 4569.53,1795.47 U7.36@4569.54,1741.01
  other v1: 4550,1822
CAM_D1: U1.E10 U7.38 | length 573.1
  Top Layer w5: v1(4565.71,2283.79) U1.E10@4578.5,2296.59
  Sig(3) w5: 4550,1800 4578.5,1828.5 4578.5,2034.53 4578.5,2271 v1(4565.71,2283.79)
  Bottom Layer w5: U7.38@4549.85,1741.01 4549.93,1741.08 4549.93,1794.93 v1@4550,1795
  other v1: 4550,1794
CAM_D2: U1.D10 U7.40 | length 596.9
  Top Layer w5: v1(4540.12,2283.79) U1.D10@4552.91,2296.59
  Sig(3) w5: v1(4540.12,2283.79) 4553,2270.91 4553,2221 4542,2210 4542,2166 4553.5,2154.5 4553.5,2119 ; v1@4549,1850 4550,1851 v1(4550,1853) 4554.5,1857.5 4554.5,2034.59 4553.5,2035.59 4553.5,2072.5 4542,2084 4542,2108 4553,2119
  Bottom Layer w5: U7.40@4530.17,1741.01 4530.16,1832.16 4548,1850 v1@4548,1852
CAM_D3: U1.C8 U7.42 | length 516.8
  Top Layer w5: v1(4515,2233) 4515,2234.09 U1.C8@4527.32,2246.41
  Sig(4) w5: v1@4511,1796 4527,1812 4527,2125.32 4527.5,2125.82 4527.5,2136.18 4527,2136.68 4527,2176.23 ; v1@4515,2234 4515,2225 4527,2213 4527,2212.23 ; 4527,2186.64 4527,2201.82 ; 4527.03,2176.25 4527.03,2186.61 ; 4527.03,2201.85 4527.03,2212.2
  Bottom Layer w5: 4510,1789 4510,1741.49 U7.42@4510.48,1741.01
  other v1: 4508,1795
CAM_D4: U1.C11 U7.44 | length 607.6
  Top Layer w5: v1(4514.53,2309.39) U1.C11@4527.32,2322.18
  Sig(3) w5: v1(4508,1817) 4509,1817 4527.5,1835.5 4527.5,2296.41 v1(4514.53,2309.39)
  Bottom Layer w5: U7.44@4490.8,1741.01 4490.8,1799.8 v1(4508,1817)
CAM_D5: U1.C12 U7.46 | length 639.8
  Top Layer w5: v1(4514.43,2335.53) U1.C12@4527.23,2348.32
  Sig(3) w5: v1@4470,1807 4471.09,1807 4513.5,1849.41 4513.5,2107.5 4502.03,2118.97 4502.03,2322.03 v1@4515,2335
  Bottom Layer w5: v1(4469,1805) 4469,1743.12 U7.46@4471.11,1741.01
CAM_D6: U1.E8 U7.48 | length 981.4
  Top Layer w5: v1(4565.61,2257.29) U1.E8@4578.41,2244.5
  Sig(4) w5: v1@4348,1904 4327,1904 4317.33,1913.67 4317.33,1937.33 4279.5,1975.17 4279.5,2209.5 4301,2231 4348,2231 4364,2247 4364,2289 4397.56,2322.56 4493.56,2322.56 4494,2323 4547,2323 4553,2317 4553,2269.91 v1(4565.61,2257.29)
  Bottom Layer w5: v1@4348,1904 v1(4349,1904) 4403,1904 4427.5,1879.5 4427.5,1879.41 4451.43,1855.47 U7.48@4451.43,1774.43
CAM_D7: U1.A11 U7.50 | length 834.6
  Top Layer w5: v1@4464,2336 U1.A11@4474.82,2325.18
  Sig(4) w5: v1@4348,1882 4347,1883 4326,1883 4306,1903 4306,1929 4269,1966 4269,2216 4296,2243 4341,2243 4353,2255 4353,2295.95 4395.05,2338 v1(4464,2338) ; v1@4348,1883 v1(4349,1883)
  Bottom Layer w5: v1(4349,1883) 4406,1883 4435,1854 4435,1788 U7.50@4431,1784
CAM_HSYNC: U1.B11 U7.58 | length 849.5
  Top Layer w5: v1(4488.39,2335.06) U1.B11@4501.18,2322.27
  Sig(4) w5: v1(4283,1902) 4283,1937.86 4259,1961.86 4259,2225 4288,2254 4333,2254 4342.5,2263.5 4342.5,2301.5 4392,2351 4472.45,2351 v1(4488.39,2335.06)
  Bottom Layer w5: v1@4283,1900 4283,1874 4353,1804 U7.58@4353,1741
CAM_MCLK: U1.A10 U7.56 | length 710.2
  Top Layer w5: v1@4465,2308 U1.A10@4475.59,2297.41
  Sig(4) w5: v1(4298,1981) 4298,2100 4316,2118 4316,2149 4369,2202 4369,2204 ; 4369,2205 4369,2235 4392.5,2258.5 4392.5,2258.64 4400.5,2266.64 4400.5,2292 4417.5,2309 v1(4465,2309)
  Bottom Layer w5: v1(4298,1981) 4298,1875.62 4373,1800.62 4373,1741.32 U7.56@4372.69,1741
CAM_PCLK: U1.B10 U7.54 | length 716.4
  Top Layer w5: v1@4489.79,2308.06 U1.B10@4502.59,2295.27
  Sig(4) w5: v1(4314,1961) 4314,2088 4371,2145 4371,2172 4414,2215 4414,2279 4431,2296 4475,2296 v1(4488,2309)
  Bottom Layer w5: v1(4314,1961) 4314,1873.77 4392,1795.77 4392,1741.38 U7.54@4392.37,1741.01
CAM_VSYNC: U1.C10 U7.52 | length 714.6
  Top Layer w5: v1(4514.53,2283.79) U1.C10@4527.32,2296.59
  Sig(4) w5: v1(4331,1977) 4343.5,1989.5 4343.5,2094.5 4384,2135 4384,2169 4428,2213 4428,2272 4441,2285 4513,2285 v1@4514,2284
  Bottom Layer w5: v1(4331,1977) 4331,1870.91 4408.13,1793.78 4408.13,1744.93 U7.52@4412.06,1741.01
eMMC-CLK: R3.1 U8.M6 | length 389.1
  Top Layer w5: v1@4315,2526 4331.28,2526 R3.1@4334.28,2529
  Sig(3) w5: v1@4313,2525 4308,2520 4308,2505 4332.5,2480.5 4332.5,2417.45 4325.5,2410.45 4325.5,2340.5 4342,2324 4342,2285 ; v1(4336.09,2213.09) 4335,2212 4335,2255 4342.5,2262.5 4342.5,2285
  Bottom Layer w5: v1(4336.09,2213.09) 4336.09,2198.91 4346.37,2188.63 U8.M6@4346.57,2188.63
  other v1: 4315,2525
eMMC-CMD: R42.1 U1.E16 U8.M5 | length 880.8
  Top Layer w5: v1(4566,2437) 4566,2437.32 4578.5,2449.82 U1.E16@4578.5,2450.13
  Sig(3) w5: v1@4351.02,2207 v1@4353,2207 ; v1(4354,2207) v1@4353,2207 ; v1(4566,2437) 4594,2437 4605,2448 4605,2509 4510,2604 4434,2604 4420.5,2590.5 4388.5,2590.5 4349,2551 4349,2439.91 4355,2433.91 4355,2209 v1@4353,2207
  Bottom Layer w5: v1@4354,2202 4362.14,2193.86 4362.34,2193.86 4366.26,2189.94 U8.M5@4366.26,2188.63 ; v1(4566,2437) 4566,2460 4585,2479 4585,2495.28 R42.1@4589,2499.28
eMMC-D0: U1.B18 U8.A3 | length 177.8
  Top Layer w5: v1(4452,2512) 4491.05,2512 U1.B18@4501.73,2501.32 4502.14,2500.91 U1.B18@4502.14,2500.72
  Sig(3) w5: v1(4440,2458) 4440,2503 4449,2512 v1(4452,2512)
  Bottom Layer w5: U8.A3@4405.63,2405.17 4405.63,2418.72 4439.91,2453 v1@4440,2453
eMMC-D1: U1.C17 U8.A4 | length 250.5
  Top Layer w5: v1(4514.53,2488.52) U1.C17@4527.32,2475.72
  Sig(3) w5: v1(4426,2474) 4426,2512 4439,2525 4478.05,2525 v1(4514.53,2488.52)
  Bottom Layer w5: U8.A4@4385.94,2405.17 4385.94,2414.94 4426,2455 v1(4426,2474)
eMMC-D2: U1.D17 U8.A5 | length 334.5
  Top Layer w5: U1.D17@4553.13,2476.5 4565.64,2489 v1(4566,2489)
  Sig(3) w5: v1(4406,2473) 4406.5,2473.5 4406.5,2506.64 4434.86,2535 4544,2535 4566,2513 v1(4566,2489)
  Bottom Layer w5: U8.A5@4366.26,2405.17 4366.26,2417.26 4406,2457 4406,2467
eMMC-D3: U1.C18 U8.A1 U8.B2 | length 194.5
  Top Layer w5: U1.C18@4527.32,2501.32 4527.5,2501.32 4538.82,2490 v1(4539,2490)
  Sig(3) w5: v1@4460.5,2434.5 v1(4461,2435) 4467,2441 4467,2467 4476,2476 4509,2476 ; 4509.94,2476.02 4525.02,2476.02 4536.71,2487.71 v1@4538.29,2487.71
  Bottom Layer w5: U8.B2@4425.31,2385.48 U8.A1@4444.83,2405 ; U8.A1@4445,2405.17 4445,2417 4461,2433 v1(4461,2435)
eMMC-D4: U1.B17 U8.A2 U8.B3 | length 181.7
  Top Layer w5: v1(4468,2497) 4480.87,2497 U1.B17@4502.14,2475.72
  Sig(3) w5: v1(4441,2435) 4454,2448 4454,2486 4465,2497 v1(4468,2497)
  Bottom Layer w5: U8.B3@4405.63,2385.48 U8.A2@4425.31,2405.17 4426.24,2406.09 4426.24,2420.24 v1@4440,2434 ; v1@4441,2434 v1(4441,2435)
eMMC-D5: U1.B19 U8.B4 U8.C3 U8.D1 U8.D2 | length 371.3
  Top Layer w5: U1.B19@4501.73,2526.91 4501.73,2526.59 v1@4513,2515.32
  Sig(3) w5: v1(4489,2463) 4490,2464 4541,2464 4553,2476 4553,2503 4541,2515 v1(4514,2515)
  Bottom Layer w5: U8.B4@4385.94,2385.48 U8.D2@4425.31,2346.11 U8.D1@4445,2346.11 4451.11,2346.11 4476,2371 4476,2450 4488,2462 v1@4488,2464
eMMC-D6: U1.F17 U8.B5 U8.C5 | length 547.7
  Top Layer w5: v1(4592,2464) 4592.59,2464 U1.F17@4603.87,2475.28
  Sig(3) w5: v1@4373.23,2354.34 4382.34,2354.34 4385,2357 4385,2465 4379,2471 ; 4378.5,2471 4378.5,2549.5 4392.5,2563.5 4531.5,2563.5 4579,2516 4579,2471 4584.66,2465.34 4589.66,2465.34 v1@4592,2463
  Bottom Layer w5: U8.C5@4365,2365 4365.33,2364.67 U8.C5@4365.33,2363.56 ; U8.B5@4366.26,2385.48 U8.C5@4366.26,2365.8 4367.19,2364.87 4367.19,2357.71 4371,2353.89 v1@4371,2353
  other v1: 4370,2353
eMMC-D7: U1.C19 U8.A7 U8.B6 | length 320
  Top Layer w5: v1(4439,2550) 4439.32,2550 4439.66,2549.66 4457.34,2549.66 4465.93,2541.07 4513.15,2541.07 U1.C19@4527.32,2526.91
  Sig(3) w5: v1(4393,2489) 4393,2507.28 4434.38,2548.66 4437.66,2548.66 v1(4439,2550)
  Bottom Layer w5: U8.A7@4326,2404 4328.06,2404 U8.B6@4346.57,2385.48 ; U8.A7@4326.89,2405.17 4327.82,2406.09 4327.82,2424.91 4391.91,2489 v1(4393,2489)
eMMC-RST: U1.H16 U8.K5 | length 503.9
  Top Layer w5: v1(4642.48,2462.93) U1.H16@4655.28,2450.13
  Sig(3) w5: v1(4385,2283) 4385,2330 4399,2344 4399,2388 4424,2413 4462,2413 4500.5,2451.5 4547.5,2451.5 4552,2447 4552,2430 4558,2424 4604,2424 v1@4643,2463
  Bottom Layer w5: U8.K5@4366.26,2228 4366.26,2230.12 4378.68,2242.54 4378.68,2243.18 4386,2250.5 v1@4386,2287
EPHY-LINK-LED: C12.2 U1.A2 U7.33 | length 448.8
  Top Layer w5: U1.A2@4476.14,2091.87 4476.14,2090.86 4489,2078 4489,2020 4480,2011 4480,1984 4505,1959 4550,1959 C12.2@4550,1965 ; C12.2@4552,1957 4552,1910 4599,1863 4599,1778.14 4599.07,1778.07 U7.33@4599.07,1731.01
EPHY-RXN: U1.A4 U7.41 | length 467.7
  Top Layer w6: U1.A4@4476.14,2143.05 4469.43,2143.05 4469.38,2143 4444,2143 4422,2121 4422,1958.2 4522,1858.2 U7.41@4522,1758
EPHY-RXP: U1.B4 U7.39 | length 471.8
  Top Layer w6: U1.B4@4501.73,2143.05 4501,2142.31 4493.97,2142.31 4489.81,2138.15 4489.81,2137.39 4481.8,2129.38 4471.2,2129.38 4470.83,2129 4449.8,2129 4435,2114.2 4435,1965 4536,1864 4536,1769 U7.39@4540,1765
EPHY-SPD-LED: C9.2 U1.F7 U7.31 | length 548.8
  Top Layer w5: v1(4591,2078) 4591,2206.72 U1.F7@4604.09,2219.82 ; v1@4611,1828 4613,1826 4613,1795 4618.75,1789.25 U7.31@4618.75,1731.01
  Sig(3) w5: v1(4591,2078) 4591,1864 4613,1842 v1@4613,1830
  Bottom Layer w5: v1(4591,2078) 4604,2091 4609,2091 C9.2@4618,2100 ; C9.2@4621,2114.72 4620,2113.72 C9.2@4623.72,2110 C9.2@4624.72,2111
  other v1: 4613,1829
EPHY-TXN: U1.A3 U7.37 | length 461.8
  Top Layer w6: U1.A3@4476.14,2117.46 4462.46,2117.46 4448,2103 4448,1976.2 4571.1,1853.1 4571.1,1789.1 4559.7,1777.7 U7.37@4559.7,1731.01
EPHY-TXP: U1.B3 U7.35 | length 468.6
  Top Layer w6: U1.B3@4501.73,2117.46 4493.66,2117.46 4489.81,2113.61 4489.81,2111.79 4481.8,2103.79 4471.2,2103.79 4470.87,2103.46 4470.46,2103.46 4462,2095 4462,1982 4585.1,1858.9 4585.1,1783.3 4578,1776.2 4578,1732.39 U7.35@4579.38,1731.01